# Altium PCB universkyNew.PcbDoc
Units mm, origin at the board's own origin, x right, y up, seen from the top; angles counter-clockwise.
Board outline 57.54 x 35.32 mm, 4 copper layers (Top Layer, GND, 3.3V, Bottom Layer); 69 components, 102 nets, 406 pads, 122 vias.
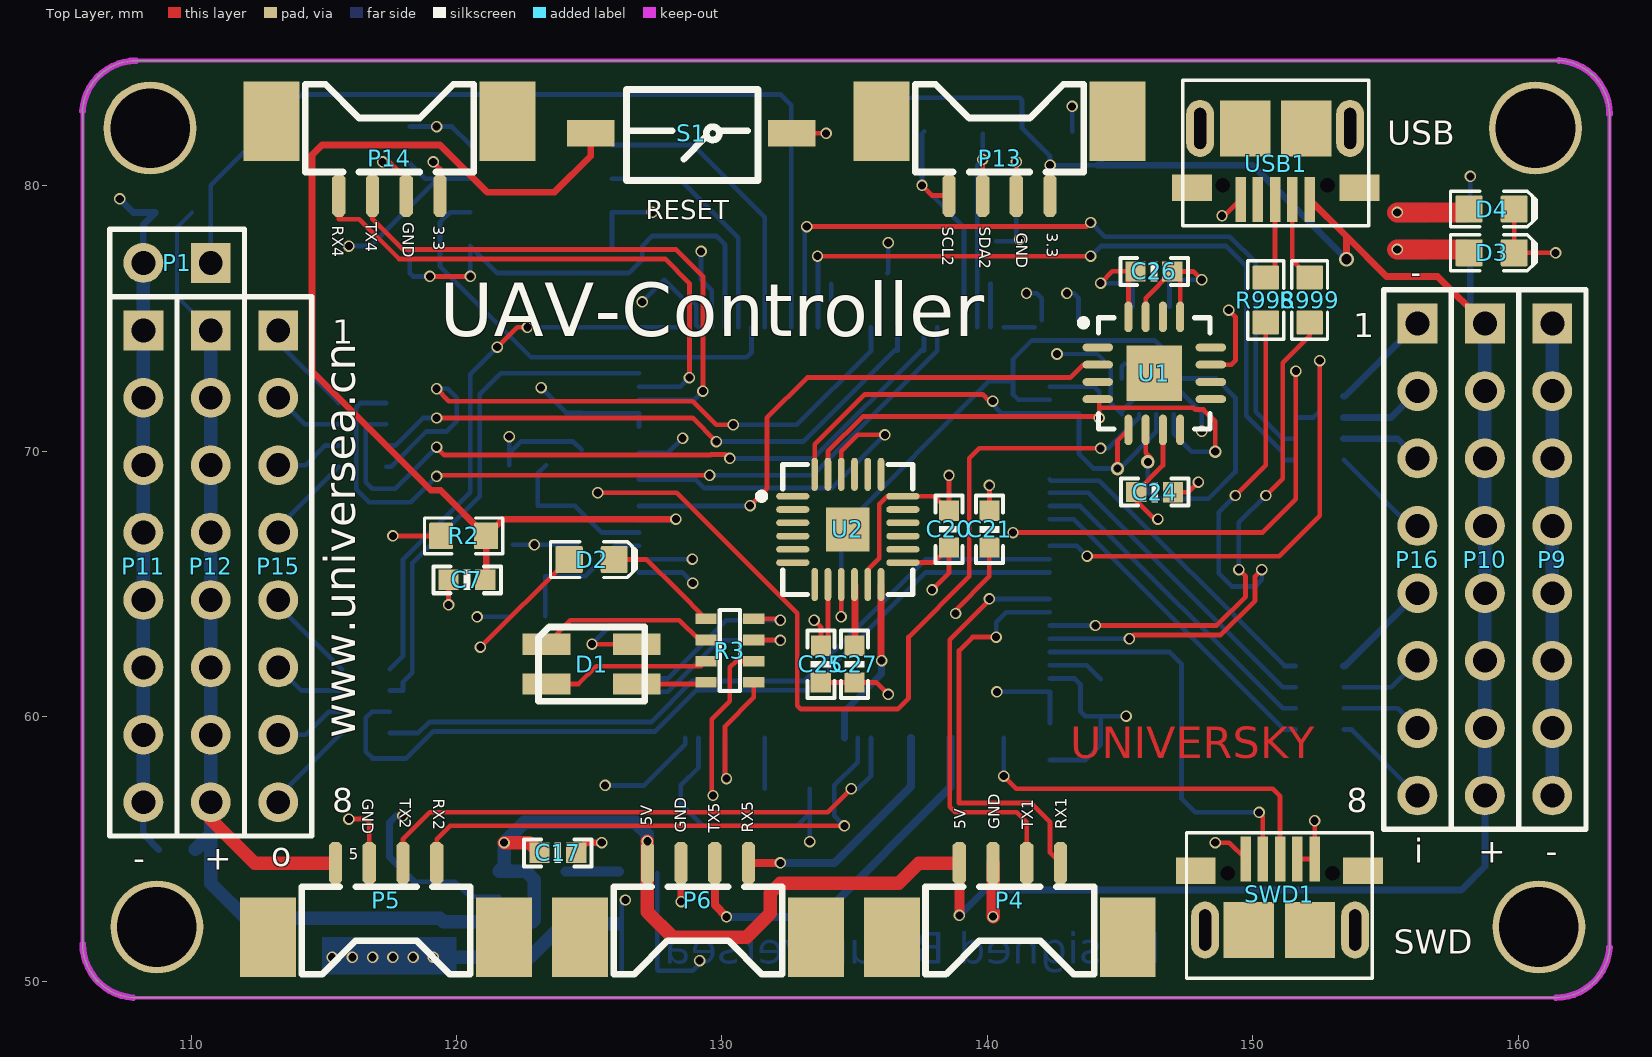
[diagram p0: Top Layer view]
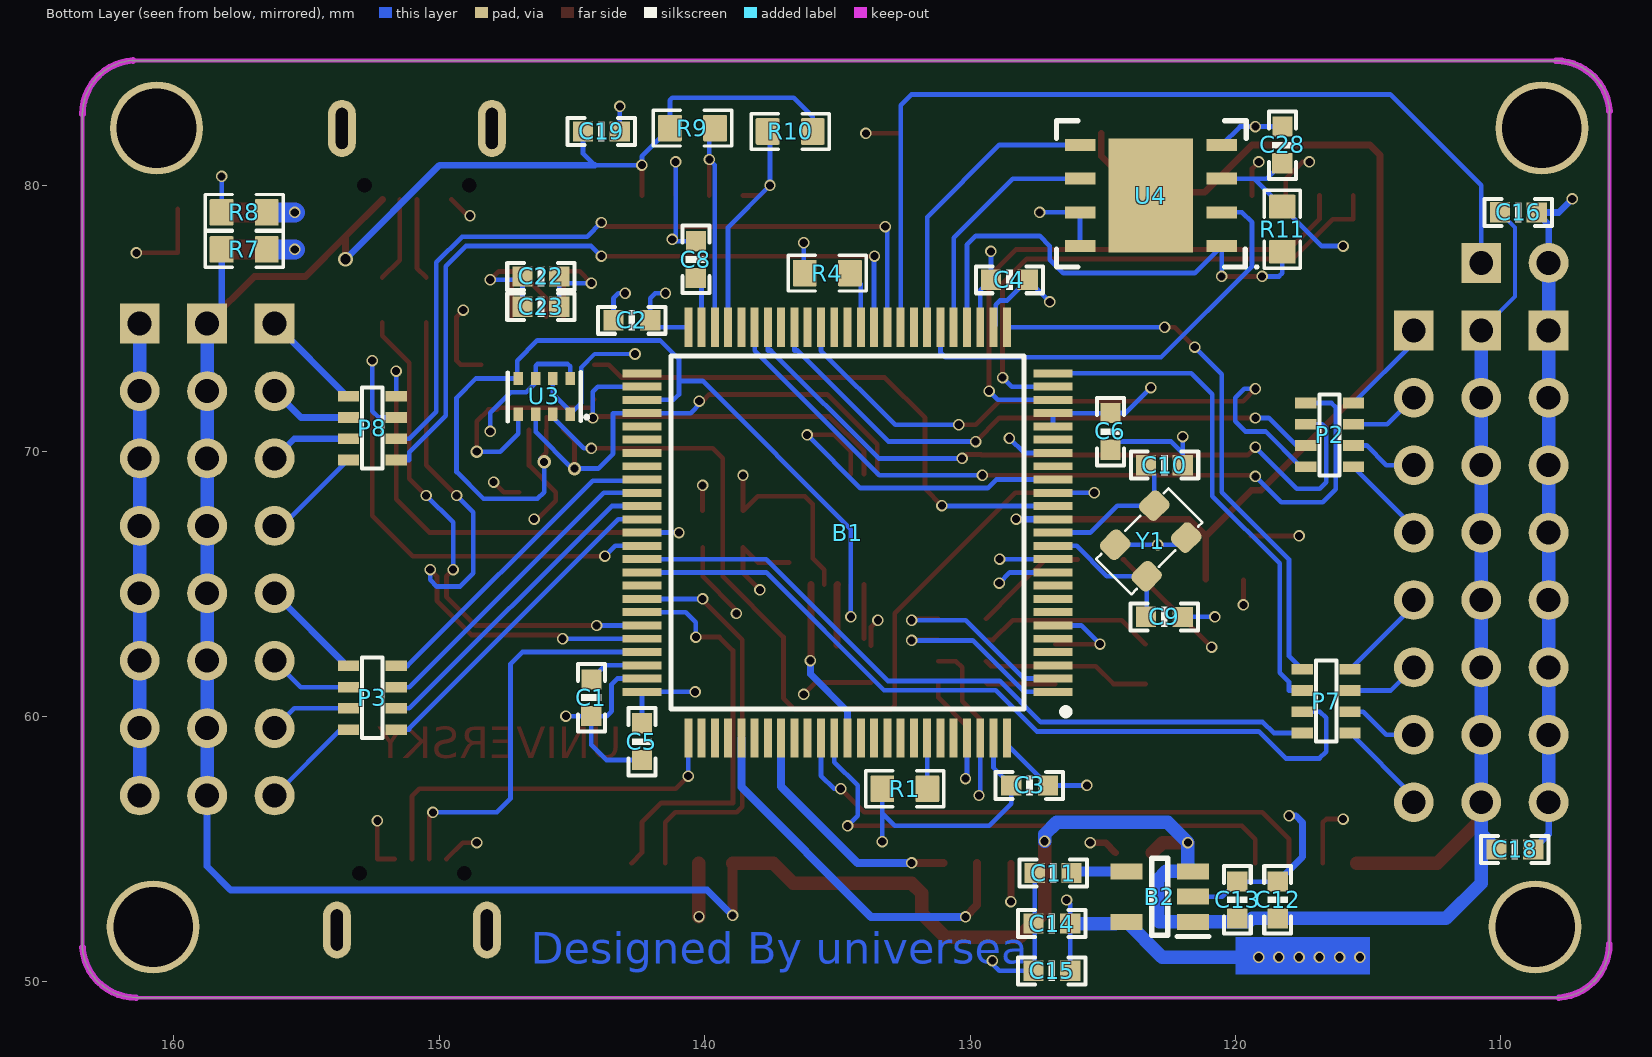
[diagram p1: Bottom Layer view, seen from below]
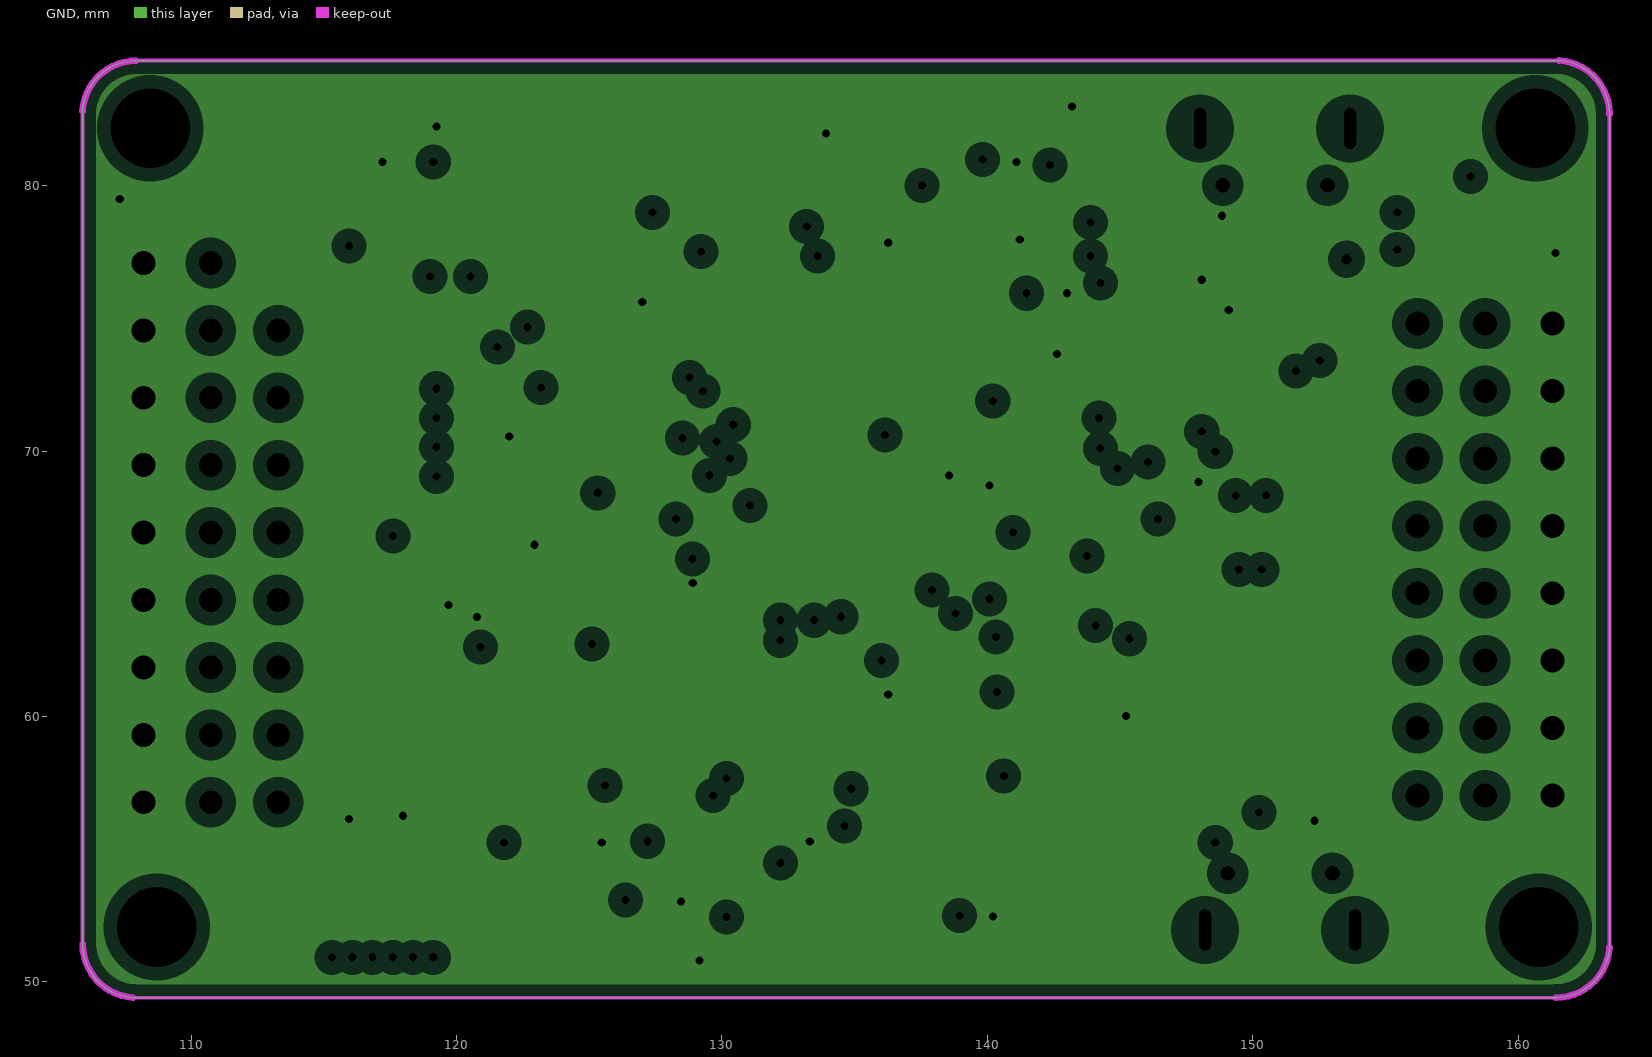
[diagram p2: GND, clearances drawn from the general rule]
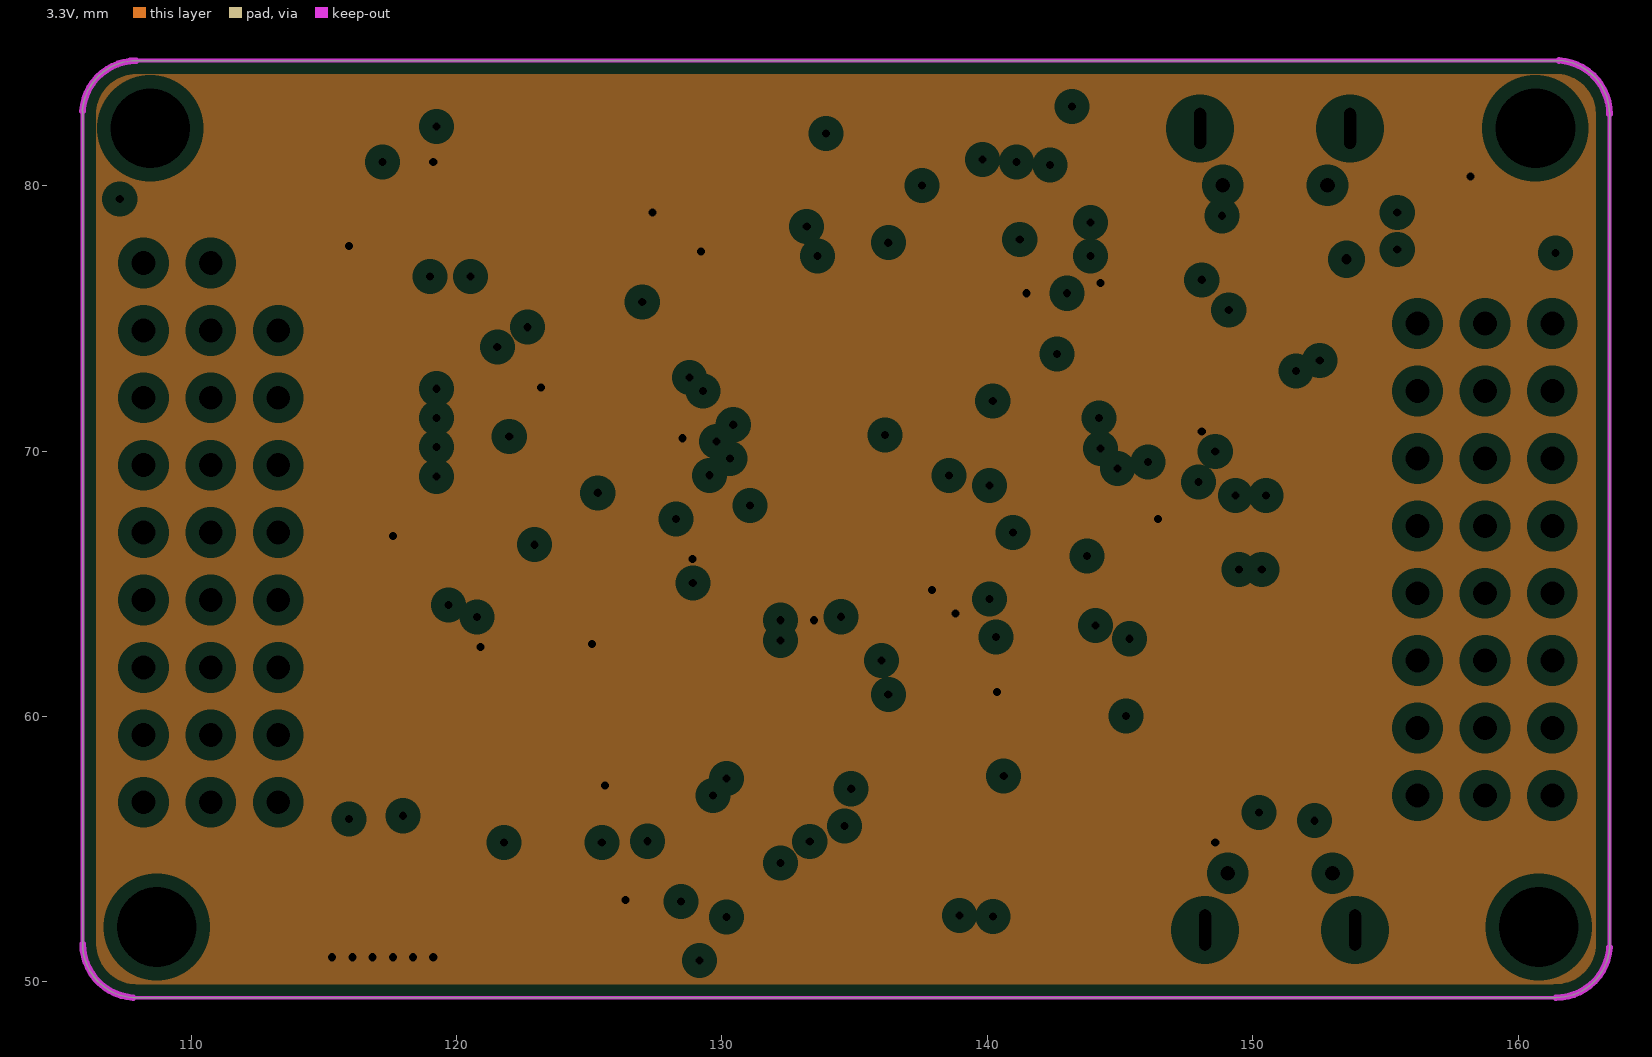
[diagram p3: 3.3V, clearances drawn from the general rule]

## Layer stack, top to bottom
Top Layer: signal copper 0.0356
Dielectric: core 0.32, FR-4, Dk 4.8
GND: plane copper 0.0356, net GND
Dielectric: prepreg 0.32, FR-4, Dk 4.8
3.3V: plane copper 0.0356, net 3.3V
Dielectric: core 0.32, FR-4, Dk 4.8
Bottom Layer: signal copper 0.0356

## Board outline
105.918,51.435 ccw(c107.95,51.435) 107.82,49.407 107.82,49.403 161.421,49.403 161.421,49.406 ccw(c161.421,51.438) 163.449,51.308 163.449,82.693 163.447,82.693 ccw(c161.415,82.693) 161.545,84.721 161.545,84.709 107.934,84.709 107.934,84.707 ccw(c107.934,82.675) 105.906,82.805 105.918,82.805

## Design rules (kind name [scope] priority, off if disabled: settings)
Clearance [All] p1: gap=0.152
ComponentClearance [All] p1: gap=0 collisioncheckmode=3 verticalgap=0 showdistances=FALSE
Length "InNet('SWCLK') Or InNet('SWDIO')_4" [InNet('SWCLK') Or InNet('SWDIO')] p1: maxlimit=14.732 minlimit=13.97
Length "InNet('PH0_OSC_IN') Or InNet('PH1_OSC_OUT')" [InNet('PH0_OSC_IN') Or InNet('PH1_OSC_OUT')] p2: maxlimit=6.096 minlimit=5.588
Length "InNet('SPI2_MOSI') Or InNet('SPI2_SCK')" [InNet('SPI2_MOSI') Or InNet('SPI2_SCK')] p3: maxlimit=17.526 minlimit=17.018
Length "InNet('SWCLK') Or InNet('SWDIO')_3" [InNet('SWCLK') Or InNet('SWDIO')] p4: maxlimit=12.319 minlimit=11.43
Length "InNet('SWCLK') Or InNet('SWDIO')_2" [InNet('SWCLK') Or InNet('SWDIO')] p5: maxlimit=12.192 minlimit=11.43
Length "InNet('SWCLK') Or InNet('SWDIO')_1" [InNet('SWCLK') Or InNet('SWDIO')] p6: maxlimit=11.074 minlimit=10.668
Length "InNet('AUX_CL') Or InNet('AUX_DA')_1" [InNet('AUX_CL') Or InNet('AUX_DA')] p7: maxlimit=14.122 minlimit=13.208
Length "InNet('AUX_CL') Or InNet('AUX_DA')" [InNet('AUX_CL') Or InNet('AUX_DA')] p8: maxlimit=14.224 minlimit=13.208
Length "InNet('AUX_DA') Or InNet('AUX_CL')" [InNet('AUX_DA') Or InNet('AUX_CL')] p9: maxlimit=7.366 minlimit=9.144
Length "InNet('I2C1_SDA') Or InNet('I2C1_SCL')" [InNet('I2C1_SDA') Or InNet('I2C1_SCL')] p10: maxlimit=18.085 minlimit=16.51
Length "InNet('SWCLK') Or InNet('SWDIO')" [InNet('SWCLK') Or InNet('SWDIO')] p11: maxlimit=10.668 minlimit=9.652
PlaneClearance [All] p1: clearance=0.508
PlaneConnect [All] p1: planeconnectstyle=Relief reliefexpansion=0.508 reliefentries=4 reliefconductorwidth=0.254 reliefairgap=0.254
PolygonConnect [All] p1: connectstyle=Relief reliefconductorwidth=0.254 reliefentries=4 polygonreliefangle="90 Angle"
RoutingVias [All] p1: holewidth=0.711 width=1.27 viastyle="Through Hole" minholewidth=0.711 minwidth=1.27 maxholewidth=0.711 maxwidth=1.27
SilkToSilkClearance [All] p1: silktosilkclearance=0
SilkscreenOverComponentPads SilkToSolderMaskClearance [IsPad] p1: minsilkscreentomaskgap=0
SolderMaskExpansion [All] p1: expansion=0.102
Width [All] p1: maxlimit=2.54 minlimit=0.152 preferedwidth=0.254 minimp=50.000000 maximp=50.000000 favimp=50.000000
23 further rules are at their usual default settings.

## Classes and differential pairs
component class universky-CONNECTOR: C16 C17 C18 C19 P2 P3 P4 P5 P6 P7 P8 P9 P10 P11 P12 P13 P14 P15 P16 R9 R10
component class universky-MCU: B1 C1 C2 C3 C4 C5 C6 C7 C8 C9 C10 D1 D2 R1 R2 R3 R4 R998 R999 S1 SWD1 USB1 Y1
component class universky-POWER: B2 C11 C12 C13 C14 C15 D3 D4 P1 R7 R8 R12
component class universky-SENSOR: C20 C21 C22 C23 C24 C25 C26 C27 C28 C29 R11 R12 U1 U2 U3 U4

## Components (designator, comment, footprint, x,y, rotation, side; value= is the part's Value field where it differs from the comment)
B1 "STM32F407VGT6" QFP50P1600X1600X160-100N 134.62,66.929 r0 bottom
B2 "MIC5219-3.3YM5_TR" SOT95P280X145-5N 122.855,53.213 r0 bottom
C1 "Cap" 0603_C 144.272,60.706 r270 bottom
C2 "Cap" 0603_C 142.748,74.93 r180 bottom
C3 "Cap" 0603_C 127.762,57.404 r180 bottom
C4 "Cap" 0603_C 128.524,76.454 r0 bottom
C5 "Cap" 0603_C 142.367,59.055 r90 bottom
C6 "Cap" 0603_C 124.714,70.739 r90 bottom
C7 "Cap" 0603_C 120.396,65.151 r180 top
C8 "Cap" 0603_C 140.335,77.216 r270 bottom
C9 "22pF" 0603_C 122.682,63.754 r180 bottom
C10 "22pF" 0603_C 122.682,69.469 r0 bottom
C11 "Cap" 0603_C 126.873,54.102 r0 bottom
C12 "Cap" 0603_C 118.41,53.086 r270 bottom
C13 "Cap" 0603_C 119.934,53.086 r270 bottom
C14 "Cap" 0603_C 126.919,52.197 r180 bottom
C15 "Cap" 0603_C 126.919,50.419 r180 bottom
C16 "Cap" 0603_C 109.347,78.994 r180 bottom
C17 "Cap" 0603_C 123.825,54.864 r0 top
C18 "Cap" 0603_C 109.474,54.991 r180 bottom
C19 "Cap" 0603_C 143.891,82.042 r180 bottom
C20 "Cap" 0603_C 138.557,67.056 r90 top
C21 "Cap" 0603_C 140.081,67.056 r90 top
C22 "Cap" 0603_C 146.177,76.581 r0 bottom
C23 "Cap" 0603_C 146.177,75.438 r0 bottom
C24 "Cap" 0603_C 146.304,68.453 r180 top
C25 "Cap" 0603_C 133.731,61.976 r90 top
C26 "Cap" 0603_C 146.279,76.77 r180 top
C27 "Cap" 0603_C 135.001,61.976 r90 top
C28 "Cap" 0603_C 118.237,81.534 r90 bottom
D1 "RGB-2" RGB-2 125.095,62.23 r180 top
D2 "LED0" 0603_LED 125.095,65.913 r0 top
D3 "LED0" 0603_LED 159.004,77.47 r0 top
D4 "LED0" 0603_LED 159.004,79.121 r0 top
P1 "Header 2" HDR1X2 110.744,77.089 r180 top
P2 "1K排阻" HDR_R_4 113.284,70.358 r180 bottom
P3 "10K排阻" HDR_R_4 155.702,60.96 r0 bottom
P4 "USART1" SMD-1.25 140.979,52.951 r180 top
P5 "USART2" SMD-1.25 117.475,52.951 r180 top
P6 "USART5" SMD-1.25 129.227,52.951 r180 top
P7 "1K排阻" HDR_R_4 113.411,60.325 r180 bottom
P8 "10K排阻" HDR_R_4 155.702,71.12 r0 bottom
P9 "Header 8" HDR1X8 161.29,74.803 r270 top
P10 "Header 8" HDR1X8 158.75,74.803 r270 top
P11 "Header 8" HDR1X8 108.204,74.549 r270 top
P12 "Header 8" HDR1X8 110.744,74.549 r270 top
P13 "I2C" SMD-1.25 140.335,81.153 r0 top
P14 "I2C" SMD-1.25 117.348,81.153 r0 top
P15 "Header 8" HDR1X8 113.284,74.549 r270 top
P16 "Header 8" HDR1X8 156.21,74.803 r270 top
R1 "Res2" 0603_R 132.461,57.277 r0 bottom
R2 "RES_10K" 0603_R 120.269,66.802 r180 top
R3 "100排阻" HDR_R_4 127.127,62.738 r180 top
R4 "Res2" 0603_R 135.382,76.708 r180 bottom
R7 "Res2" 0603_R 157.353,77.597 r180 bottom
R8 "Res2" 0603_R 157.353,78.994 r180 bottom
R9 "Res2" 0603_R 140.462,82.169 r180 bottom
R10 "Res2" 0603_R 136.779,82.042 r0 bottom
R11 "Res2" 0603_R 118.237,78.359 r90 bottom
R998 "RES_10K" 0603_R 150.495,75.692 r270 top
R999 "RES_10K" 0603_R 152.146,75.692 r270 top
S1 "SW-PB" KEY_SMD 128.778,81.915 r180 top
SWD1 "Header 5" USB_M 149.352,50.546 r90 top
U1 "AK8975" QFN_16 146.166,72.548 r0 top
U2 "ICM20689" QFN_24 134.874,66.802 r270 top
U3 "SPL06_001" SPL06_001 147.072,73.285 r270 bottom
U4 "W25Q32FVZPIG" WDFN_8 123.19,79.375 r0 bottom
USB1 "Header 5" USB_M 152.527,83.566 r270 top
Y1 "XATLS" XTAL_3225 121.842,66.724 r315 bottom

## Footprints (in the part's own frame and the unit in brackets; to place one, negate y for a bottom-side part, rotate by r counter-clockwise, add the part's x,y. Pads: shape width x height; smd on the part's side, far side on the other; paste and mask are expansions set on the pad)
0603_C [mil]
  rect 30x30 smd: 1(-27.25,0.03) 2(27.25,-0.03)
  silkscreen extent -50,-20 50,20, body extent -33,-18 33,18, height 35
0603_LED [mil]
  rrect10% 40.5x40 smd: 1(-33.46,0)
  rrect10% 40x40 smd: 2(33.46,0)
  silkscreen extent -61,-27 66,27, body extent -31,-16 32,16, height 30
0603_R [mm]
  rrect10% 0.9x1 smd: 1(-0.85,0) 2(0.85,0)
  silkscreen extent -1.47,-0.68 1.47,0.67, body extent -0.85,-0.38 0.85,0.42, height 0.56
HDR1X2 [mm] "Connector; Header; 2 Position"
  rect 1.5x1.5 hole 0.9: 1(0,0)
  round 1.5 hole 0.9: 2(2.54,0)
  silkscreen extent -1.27,-1.27 3.81,1.27
HDR1X8 [mm] "Connector; Header; 8 Position"
  rect 1.5x1.5 hole 0.9: 1(0,0)
  round 1.5 hole 0.9: 2(2.54,0) 3(5.08,0) 4(7.62,0) 5(10.16,0) 6(12.7,0) 7(15.24,0) 8(17.78,0)
  silkscreen extent -1.27,-1.27 19.05,1.27
HDR_R_4 [mm]
  rect 0.8x0.4 smd: 1(-4.075,1.454) 2(-4.075,0.654) 3(-4.075,-0.146) 4(-4.075,-0.946) 5(-2.275,1.454) 6(-2.275,0.654) 7(-2.275,-0.146) 8(-2.275,-0.946)
  silkscreen extent -3.56,-1.27 -2.79,1.78, body extent -3.94,-1.35 -2.34,1.85, height 0.59
KEY_SMD [mm]
  rect 1.8x1 smd: 1(-3.853,-0.056) 2(3.716,-0.056)
  silkscreen extent -2.58,-1.71 2.37,1.72, body extent -4.04,-1.78 3.96,1.72, height 8.02
QFN_16 [mm]
  oval 1.15x0.3 smd: 1(-2.002,1.356) 2(-2.002,0.706) 3(-2.002,0.056) 4(-2.002,-0.594) 9(2.256,-0.594) 10(2.256,0.056) 11(2.256,0.706) 12(2.256,1.356)
  oval 0.3x1.15 smd: 5(-0.848,-1.748) 6(-0.198,-1.748) 7(0.452,-1.748) 8(1.102,-1.748) 13(1.102,2.51) 14(0.452,2.51) 15(-0.198,2.51) 16(-0.848,2.51)
  rect 2.1x2.1 smd: 17(0.127,0.381)
  silkscreen extent -2.66,-1.72 2.23,2.48, body extent -1.97,-1.72 2.2,2.45, height 0.85
QFN_24 [mm]
  oval 0.25x1.25 smd: 1(-1.496,-2.202) 2(-0.996,-2.202) 3(-0.496,-2.202) 4(0.004,-2.202) 5(0.504,-2.202) 6(1.004,-2.202) 13(1.004,1.948) 14(0.504,1.948) 15(0.004,1.948) 16(-0.496,1.948) 17(-0.996,1.948) 18(-1.496,1.948)
  oval 1.25x0.25 smd: 7(1.829,-1.377) 8(1.829,-0.877) 9(1.829,-0.377) 10(1.829,0.123) 11(1.829,0.623) 12(1.829,1.123) 19(-2.321,1.123) 20(-2.321,0.623) 21(-2.321,0.123) 22(-2.321,-0.377) 23(-2.321,-0.877) 24(-2.321,-1.377)
  rect 1.651x1.651 smd: 25(-0.246,-0.127)
  silkscreen extent -2.7,-3.5 2.2,2.32, body extent -2.25,-2.13 1.75,1.87, height 1
QFP50P1600X1600X160-100N [mm]
  rect 1.475x0.3 smd: 1(-7.738,6) 2(-7.738,5.5) 3(-7.738,5) 4(-7.738,4.5) 5(-7.738,4) 6(-7.738,3.5) 7(-7.738,3) 8(-7.738,2.5) 9(-7.738,2) 10(-7.738,1.5) 11(-7.738,1) 12(-7.738,0.5) 13(-7.738,0) 14(-7.738,-0.5) 15(-7.738,-1) 16(-7.738,-1.5) 17(-7.738,-2) 18(-7.738,-2.5) 19(-7.738,-3) 20(-7.738,-3.5) 21(-7.738,-4) 22(-7.738,-4.5) 23(-7.738,-5) 24(-7.738,-5.5) 25(-7.738,-6) 51(7.738,-6) 52(7.738,-5.5) 53(7.738,-5) 54(7.738,-4.5) 55(7.738,-4) 56(7.738,-3.5) 57(7.738,-3) 58(7.738,-2.5) 59(7.738,-2) 60(7.738,-1.5) 61(7.738,-1) 62(7.738,-0.5) 63(7.738,0) 64(7.738,0.5) 65(7.738,1) 66(7.738,1.5) 67(7.738,2) 68(7.738,2.5) 69(7.738,3) 70(7.738,3.5) 71(7.738,4) 72(7.738,4.5) 73(7.738,5) 74(7.738,5.5) 75(7.738,6)
  rect 0.3x1.475 smd: 26(-6,-7.738) 27(-5.5,-7.738) 28(-5,-7.738) 29(-4.5,-7.738) 30(-4,-7.738) 31(-3.5,-7.738) 32(-3,-7.738) 33(-2.5,-7.738) 34(-2,-7.738) 35(-1.5,-7.738) 36(-1,-7.738) 37(-0.5,-7.738) 38(0,-7.738) 39(0.5,-7.738) 40(1,-7.738) 41(1.5,-7.738) 42(2,-7.738) 43(2.5,-7.738) 44(3,-7.738) 45(3.5,-7.738) 46(4,-7.738) 47(4.5,-7.738) 48(5,-7.738) 49(5.5,-7.738) 50(6,-7.738) 76(6,7.738) 77(5.5,7.738) 78(5,7.738) 79(4.5,7.738) 80(4,7.738) 81(3.5,7.738) 82(3,7.738) 83(2.5,7.738) 84(2,7.738) 85(1.5,7.738) 86(1,7.738) 87(0.5,7.738) 88(0,7.738) 89(-0.5,7.738) 90(-1,7.738) 91(-1.5,7.738) 92(-2,7.738) 93(-2.5,7.738) 94(-3,7.738) 95(-3.5,7.738) 96(-4,7.738) 97(-4.5,7.738) 98(-5,7.738) 99(-5.5,7.738) 100(-6,7.738)
  silkscreen extent -8.35,-6.65 6.65,6.87
RGB-2 [mm]
  rect 1.8x0.8 smd: 1(1.7,-0.496) 2(-1.7,-0.496) 3(1.7,1.004) 4(-1.7,1.004)
  silkscreen extent -2,-1.15 2,1.65, body extent -1.75,-1.14 1.75,1.66, height 1.93
SMD-1.25 [mm]
  oct 0.5x1.6 smd: 1(2.032,-1.524) 2(0.762,-1.524) 3(-0.508,-1.524) 4(-1.778,-1.524)
  rect 2.1x3 smd: 5(4.572,1.27) 6(-4.318,1.27)
  silkscreen extent -3.05,-0.64 3.3,2.67, body extent -4.96,-1.59 5.19,2.61, height 4.76
SOT95P280X145-5N [mm]
  rect 1.2x0.6 smd: 1(-1.25,0.95) 2(-1.25,0) 3(-1.25,-0.95) 4(1.25,-0.95) 5(1.25,0.95)
  silkscreen extent -1.85,-1.45 0.3,1.5
SPL06_001 [mm]
  rect 0.5x0.35 smd: 1(1.9,2) 2(1.9,1.35) 3(1.9,0.7) 4(1.9,0.05) 5(0.55,0.05) 6(0.55,0.7) 7(0.55,1.35) 8(0.55,2)
  silkscreen extent 0.3,-0.35 2.18,2.69
USB_M [mm]
  rect 1.7x0.4 smd: 1(4.085,-0.382) 2(4.085,-1.032) 3(4.085,-1.682) 4(4.085,-2.332) 5(4.085,-2.982)
  rect 2.1x1.9 smd: ""(1.409,-0.507) ""(1.409,-2.807)
  oval 2.15x1.05 hole 0.45 slot 1.55 at 0 deg: ""(1.409,1.143) ""(1.409,-4.507)
  rect 0x0 hole 0.55: ""(3.547,-3.657) ""(3.547,0.293)
  rect 1x1.5 smd: ""(3.647,-4.807) ""(3.647,1.493)
  silkscreen extent -0.4,-5.16 5.08,1.84
WDFN_8 [mm]
  rect 1.15x0.45 smd: 1(-2.667,1.651) 2(-2.667,0.381) 3(-2.667,-0.889) 4(-2.667,-2.159) 5(2.667,-2.159) 6(2.667,-0.889) 7(2.667,0.381) 8(2.667,1.651)
  rect 3.19x4.3 smd paste-1.595 mask+0: 9(0,-0.254)
  silkscreen extent -4.04,-3.07 3.56,2.49, body extent -2.92,-2.75 3.08,2.25, height 0.81
XTAL_3225 [mm]
  rrect50% 1x0.9 smd: 1(2.083,-0.051) 2(0,-0.025) 3(0,-1.727) 4(2.083,-1.727)
  silkscreen extent -0.84,-1.85 2.97,0.03